# Altium PCB RFID_240713 V3.01.PcbDoc (continued)
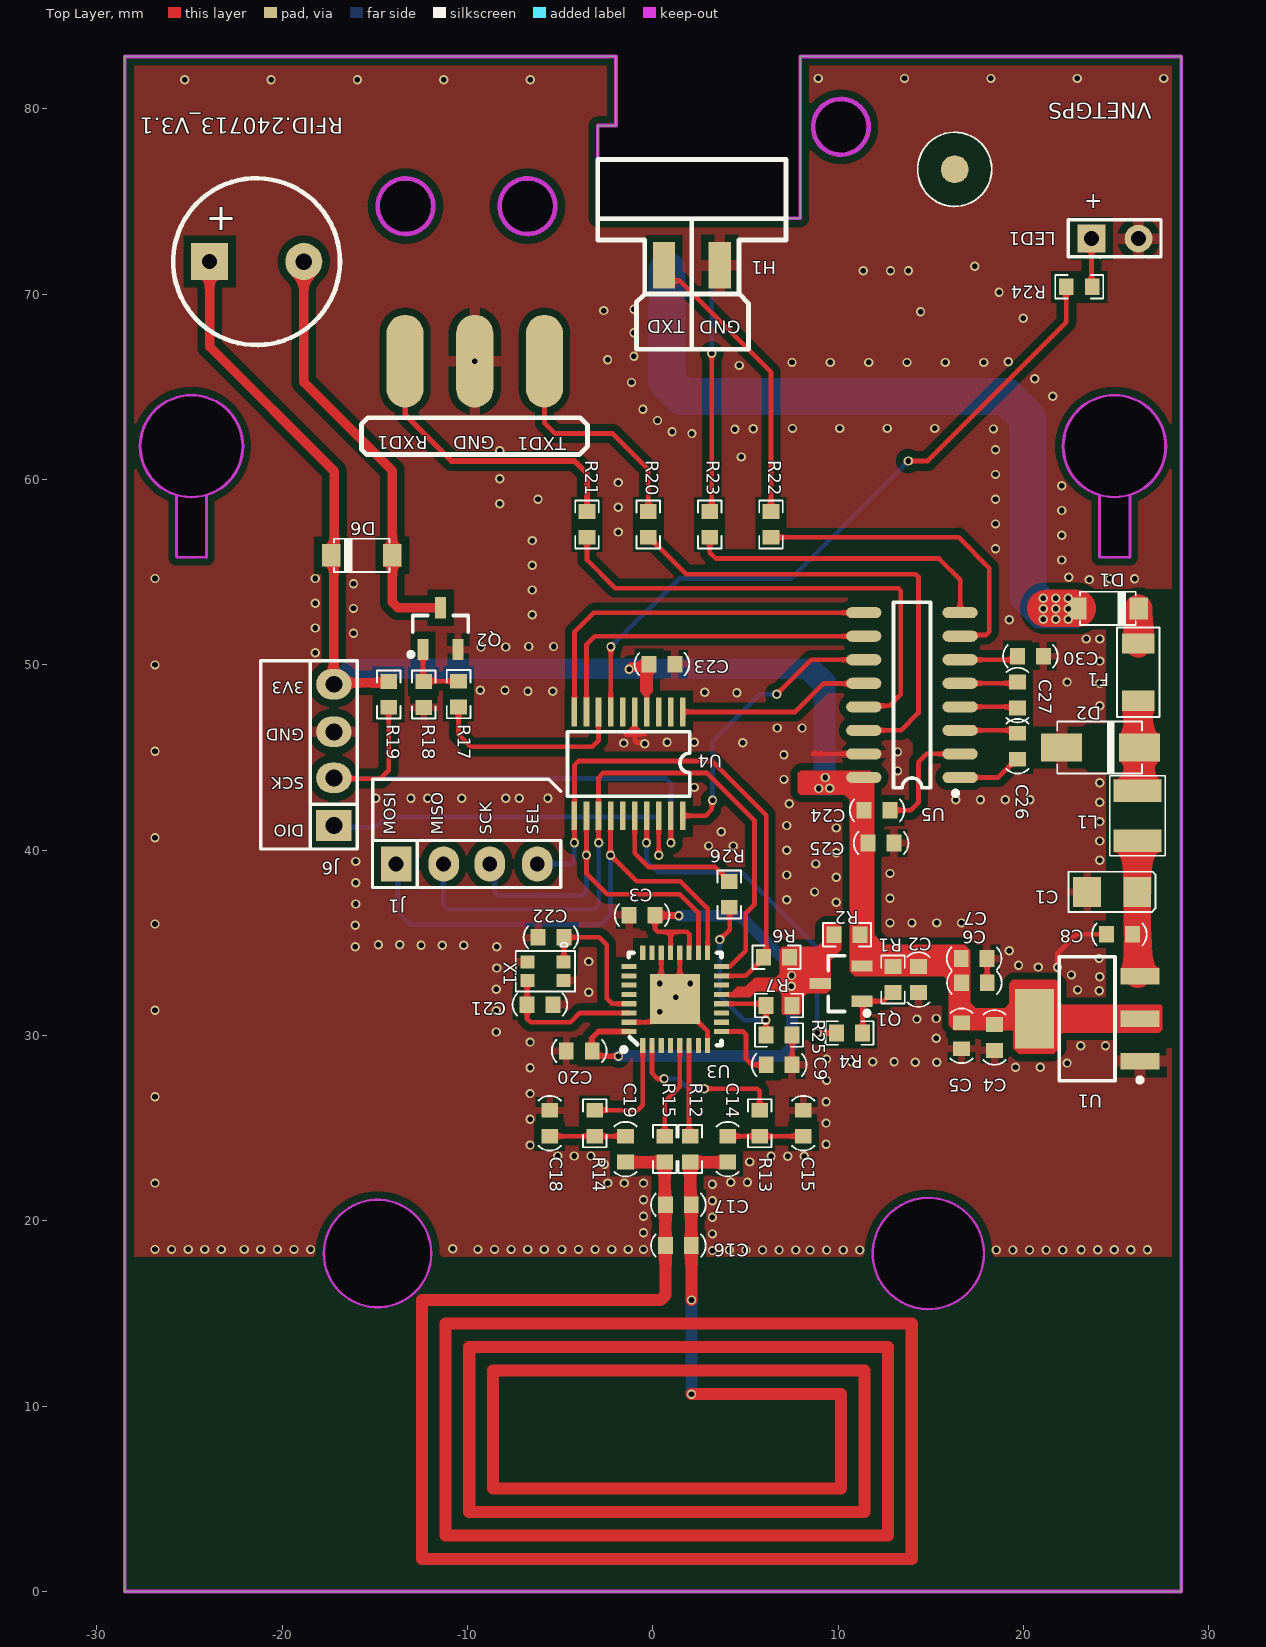
[diagram p0: Top Layer view]
## Part data
C1: library part "Cap Tan 3216 10uF", "CAP TANT 10UF 10V 10% 1206", MFR=AVX, MPN=TAJA106K010RNJ, Comnpany ID="VT_CAP TAN 10uF 10V"
C2 C3 C5 C8 C20 C23 C24 C25 C26 C27 C30: library part "Cap 0603 100nF", "CAP CER 100nF 50V C0G/NP0 0603", MFR=SAMSUNG, MPN=CL10C104JB8NNNC, Package=0603, Voltage=50V, Size="C0603: 100nF"
  C2 C3 C20 C23: Company ID="VT_CAP_C0603 100nF"
  C5 C8 C24 C25 C26 C27 C30: Company ID="VT_TỤ ĐIỆN_C0603 100nF"
C4: library part "Cap 0603 10uF", "CAP CER 10UF 16V X5R 0603", MFR=Yageo, MPN=EMK107BBJ106MA-T, Package=0603, Company ID="VT_CAP_C0603 10uF", Size="C0603: 10uF"
C6: library part "Cap 0603 33pF", "CAP CER 33PF 50V C0G 0603", MFR=Yageo, MPN=AC0603FRNPO9BN330, Company ID="VT_CAP_C0603 33pF", Size="C0603: 33pF"
C7: library part "Cap 0603 10pF", "CAP CER 10PF 50V C0G/NP0 0603", MFR=SAMSUNG, MPN=CL10C100JB8NNNC, Company ID="VT_CAP_C0603 10pF", Size="C0603: 10pF"
C9: library part "Cap 0603 1nF", "CAP CER 1000PF 50V C0G/NP0 0603", MFR=SAMSUNG, MPN=CL10C102JB8NNNC, Company ID="VT_TỤ ĐIỆN_C0603 1nF", Size="C0603: 1nF"
C14 C15 C18 C19: library part "Cap 0603 150pF", "CAP CER 150PF 50V C0G/NP0 0603", MFR=SAMSUNG, MPN=CL10C151JB8NNNC, Company ID="VT_TỤ ĐIỆN_C0603 150pF", Size="C0603: 150pF"
C16 C17: library part "Cap 0603 220pF", "CAP CER 220PF 50V C0G/NP0 0603", MFR=SAMSUNG, MPN=CL10C221JB8NNNC, Company ID="VT_TỤ ĐIỆN_C0603 220pF", Size="C0603: 220pF"
C21 C22: library part "Cap 0603 22pF", "CAP CER 22PF 50V C0G/NP0 0603", MFR=SAMSUNG, MPN=CL10C220JB8NNNC, Company ID="VT_TỤ ĐIỆN_C0603 22pF", Size="C0603: 22pF"
D1 D6: library part "Diode 1N4148", "DIODE GEN PURP 100V 300MA SOD123", MFR=DIODES, MPN=1N4148W-7-F, Company ID=VT_DIODE_1N4148W-7-F
D2: library part "Diode SMAJ5.0A", "TVS DIODE 5VWM 9.2VC SMA", MFR="Littelfuse Inc.", Company ID="VT_DIODE_ SMAJ5.0A", MPN=SMAJ5.0A
F1: library part "Fuse 30V - 0.125A", "PTC RESET FUSE 30V 0.125A 1206", MFR=BrightKing, MPN=SMD1206B012TF, Company ID="VT_Fuse_30V - 0.125A"
GND RXD1 TXD1: library part TP, "1mm - 1 layer"
H1: library part "HD2x2 S", "Micro-Fit 3.0™ Straight Header, 3.00mm Pitch, Dual Row, 4 Circuits", MFR=China, MPN=M3045-2x2-B, MPN2=43045-, Company ID="VT_CONN_2*2 (M3045)"
J1 J6: library part JP4, "Jumper 4, 2.54mmx4"
L1: library part "Inductor 3225 2.2uH", "FIXED IND 2.2UH 1.6A 76 MOHM SMD", MFR=Murata, MPN=LQH32PN2R2NN0, MPN2=SWPA3015S2R2NT, Company ID="VT_IND_3225 2.2uH", Size="L3225: 2.2uH"
LED1: library part "LED 5mm", "LED 5mm"
LS1: library part Speaker, "Buzzer 9*6mm (D*h)", MFR=China, MPN=TMB09A03, Company ID="VT_Buzzer 3V 9mm"
Q1: library part IRLML6402TRPBF, "MOSFET P-CH 30V 3.6A SOT-23-3", MFR="Infineon Technologies", Categories=TRANSISTOR, MPN=IRLML6402TRPBF
Q2: library part "Transistor 2N3904", "TRANS NPN 40V 0.2A SOT-23", MFR=Fairchild, MPN=MMBT3904, Company ID=VT_TRANSISTOR_3904
R1: library part "Res 0603 1M", "RES SMD 1M OHM 1% 1/10W 0603", MFR=Yageo, MPN=RC0603FR-071ML, Company ID="VT_RES_R0603 1M"
R2 R13 R14 R26: library part "Res 0603 0R", "RES SMD 0 OHM JUMPER 1/10W 0603", MFR=Yageo, MPN=RC0603FR-070RL, Company ID="VT_ĐIỆN TRỞ_R0603 0R", Size="R0603: 0R"
R4 R17 R24: library part "Res 0603 1K", "RES SMD 1K OHM 1% 1/10W 0603", MFR=Yageo, MPN=RC0603FR-071KL, Company ID="VT_ĐIỆN TRỞ_R0603 1K", Size="R0603: 1K"
R6 R18 R19: library part "Res 0603 10K", "RES SMD 10K OHM 1% 1/10W 0603", MFR=Yageo, MPN=RC0603FR-0710KL, Size="R0603: 10K"
  R6 R19: Company ID="VT_ĐIỆN TRỞ_R0603 10K"
  R18: Company ID="VT_RES_R0603 10K"
R7 R25: library part "Res 0603 3.3K", "RES SMD 3.3K OHM 1% 1/10W 0603", MFR=Yageo, MPN=RC0603FR-073K3L, Company ID="VT_ĐIỆN TRỞ_R0603 3.3K", Size="R0603: 3.3K"
R12 R15 R20 R21 R22 R23: library part "Res 0603 330R", "RES SMD 330OHM 1% 1/10W 0603", MFR=Yageo, MPN=RC0603FR-07330RL, Company ID="VT_ĐIỆN TRỞ_R0603 330R", Size="R0603: 330R"
U1: library part AMS1117, "1A LOW DROPOUT VOLTAGE REGULATOR", MFR=TI, MPN="AMS1117 3.3", Company ID=VT_IC_AMS1117
U3: "IC RFID RDR/TRN 13.56MZ 32VFQFPN", MFR=ST, MPN=CR95HF-VMD5T, Company ID=VT_IC_CR95HF
U4: "IC MCU 32BIT 32KB FLASH 20TSSOP", MPN=STMicroelectronics, Company ID=VT_IC_STM32G030F6P6TR, MFR=STM32G030F6P6TR
U5: "2/2 Transceiver Full RS232 16-SOIC", MFR=TI, MPN=MAX3232EIDR, Company ID=VT_IC_MAX3232
X1: library part XTAL-XRCBG27M, "CRYSTAL 27.12MHz RoHS", MFR=Murata, MPN=XRCGB27M120F3M00R0, Company ID="VT_CRYSTAL_SMD 27.12MHz"

## Free pads (board coordinates)
  round 1.5 all layers, no hole: 1(16.28,76.74)

## Via types
v1: diameter 0.5, hole 0.3, Top Layer to Bottom Layer, tented both sides, 301 vias

## Nets (pads, with @x,y where several pads share a name; then routed paths per layer and width w, separated by ;. In a path a pad name is that pad's centre, name@x,y a point inside that pad or via, vN(x,y) a via of type N, cw(c..) or ccw(c..) an arc to the next point about the centre after c; other vN are vias at no path point)
3V3: C2.2 C4.2 C5.2 C6.2 C7.2 C23.2 C24.2 C25.2 D6.2 J6.4 LS1.1 Q1.2 R1.2 R2.1 R19.2 U1.2 U1.4 U4.4 U5.16 | length 94.9
  Top Layer w0.254: U4.4 C23.2@-0.338,49.838 ; R2.1 11.278,35.33 Q1.2 16.567,33.752 16.629,33.69
  Top Layer w0.508: LS1.1 -23.92,67.165 -17.19,60.435 D6.2@-17.19,55.86 ; D6.2@-17.22,55.83 J6.4 -17.142,49.033 -14.347,49.033 -14.343,49.028 R19.2 ; v1(-1.29,49.76) -1.155,49.895 -0.362,49.895 C23.2 ; 8.541,43.915 11.362,43.915 U5.16 11.382,43.921 11.382,42.16 C24.2 11.388,35.695 11.176,35.482 R2.1 ; 16.629,33.69 16.639,33.68 16.639,32.999 16.644,32.994 16.644,30.876 C5.2@16.78,30.74 ; 17.199,30.907 U1.4 U1.2
  Bottom Layer w0.508: J6.4 -16.97,48.955 -16.195,49.73 8.47,49.73 9.298,48.902 v1(9.298,43.923)
  other v1: 8.95,43.33 9.54,43.35
3V3_RF: C3.2 C20.2 Q1.3 R2.2 R6.2 R7.1 U3.13 U3.19 U3.21 U3.32 | length 42
  Top Layer w0.254: C3.2 0.11,35.749 0.259,35.6 0.949,35.6 ; U3.21 0.949,35.6 ; U3.19@1.97,34.69 1.97,35.451 1.821,35.6 0.949,35.6 ; U3.13 5.02,32.22 5.451,32.651 v1@7.47,32.651 ; v1(7.47,32.66) v1@7.47,32.651 ; R7.1@7.497,31.668 7.47,31.695 v1@7.47,32.651 ; Q1.3 9.028,34.635 9.776,35.382 R2.2
  Top Layer w0.3: v1(-1.86,28.89) -3.007,28.89 -3.3,29.183 -3.3,29.86 -2.94,30.22 U3.32
  Top Layer w0.381: C3.2@0.145,36.485 1.383,36.485 v1(1.398,36.47) ; v1(7.47,32.66) v1@7.5,32.66 ; R7.1@7.497,31.668 R7.1@7.5,31.671 ; 7.5,33.69 v1@7.5,32.66 ; Q1.3 9.015,32.79 7.632,32.79 7.502,32.66 v1@7.5,32.66
  Bottom Layer w0.6: v1@-1.922,28.9 7.01,28.9 7.5,29.39 7.5,33.664 4.694,36.47 v1(1.398,36.47)
  other v1: 7.48,33.24
BUZZER: R17.1 U4.8 | length 11.2
  Top Layer w0.254: R17.1@-10.31,47.54 R17.1 -10.49,46.23 -9.841,45.581 -3.28,45.581 -2.938,45.923 U4.8
EN_RFID: R4.1 U4.17 | length 19.3
  Top Layer w0.254: v1@-0.338,40.388 U4.17 ; v1(8.86,30.14) R4.1 R4.1@9.875,30.175
  Bottom Layer w0.254: v1(-0.353,40.403) -0.353,39.443 0.26,38.83 4.761,38.83 8.86,34.73 v1(8.86,30.14)
GND: C1.2 C2.1 C3.1 C4.1 C5.1 C6.1 C7.1 C8.1 C9.2 C15.1 C18.2 C20.1 C21.1 C22.1 C23.1 C25.1 C30.1 D2.1 GND.1 H1.2 J6.3 LED1.2 Q2.2 R18.1 R25.2 U1.1 U3.8 U3.20 U3.22 U3.31 U3.33 U4.5 U5.15 X1.2 X1.4 | length 20.5
  Top Layer w0.254: U3.31 U3.33@-0.052,30.72 ; U4.5 -0.988,45.922 -0.864,45.798 -0.563,45.798 -0.52,45.755 v1@-0.52,45.74 ; U3.33@0.449,32.723 U3.22 ; U3.20 1.448,32.22 U3.33 2.948,30.224 U3.8 ; R25.2 7.51,30.02 C9.2 ; 8.633,45.198 U5.15 ; 8.722,45.286 8.78,45.228 ; C7.1 18.029,32.861 C6.1 ; v1@21.81,33.69 21.83,33.71 21.83,34.45 22.84,35.46 C8.1
  other v1: 3.21,18.4 4.12,18.43 5.015,18.43 5.91,18.43 6.805,18.43 7.7,18.43 8.471,18.43 9.366,18.43 10.261,18.43 11.156,18.43 18.527,18.43 19.422,18.43 20.317,18.43 21.212,18.43 22.107,18.43 23.1,18.44 23.995,18.44 24.89,18.44 25.785,18.44 26.68,18.44 -26.87,18.46 -25.975,18.46 -25.08,18.46 -24.185,18.46 -23.29,18.46 -22.053,18.46 -21.158,18.46 -20.263,18.46 -19.368,18.46 -18.473,18.46 -9.444,18.46 -8.549,18.46 -7.654,18.46 -6.759,18.46 -5.864,18.46 -4.914,18.46 -4.019,18.46 -3.124,18.46 -2.229,18.46 -1.334,18.46 -0.51,18.46 -10.808,18.491 3.21,19.295 -0.51,19.355 3.21,20.19 -0.51,20.25 3.21,21.085 -0.51,21.145 3.21,21.98 -26.87,22.04 -2.445,22.04 -1.55,22.04 -0.51,22.04 4.2,22.08 5.095,22.08 -2.62,23.06 5.22,23.18 -5.14,23.5 -4.245,23.5 -3.35,23.5 6.37,23.49 7.265,23.49 8.16,23.49 -6.63,24.09 9.34,24.13 9.34,25.28 -6.63,25.48 9.34,26.43 -26.87,26.7 -6.63,26.87 9.366,27.579 -6.63,28.26 19.562,28.294 20.897,28.294 22.342,28.514 14.158,28.56 15.307,28.56 10.708,28.586 11.858,28.586 13.008,28.586 9.366,28.729 23.082,29.444 24.417,29.444 -6.63,29.65 15.29,29.86 -8.459,30.193 14.24,30.89 15.29,30.92 0.37,31.278 -8.459,31.343 -26.87,31.36 1.22,32.07 -3.46,32.34 24.08,32.42 22.91,32.46 -8.459,32.493 0.37,32.81 2.02,32.81 24.1,33.18 22.58,33.27 -8.433,33.643 21.83,33.68 20.793,33.696 19.727,33.794 -3.46,33.99 24.07,34.16 19.22,34.58 -16.069,34.798 -8.433,34.792 -12.513,34.874 -11.363,34.874 -10.213,34.874 -14.812,34.9 -13.663,34.9 -16.069,35.948 -26.87,36.02 12.788,36.078 13.972,36.078 15.307,36.078 16.642,36.078 -16.043,37.097 9.89,37.2 7.22,37.33 12.788,37.413 8.722,37.75 -16.043,38.247 9.89,38.535 7.22,38.665 12.788,38.748 8.78,39.26 -16.043,39.397 24.11,39.452 9.89,39.87 7.22,40 3.002,40.234 4.337,40.234 24.11,40.499 -26.87,40.68 3.68,41 9.89,41.205 7.22,41.335 24.11,41.546 7.352,42.514 24.11,42.593 16.332,42.722 17.667,42.722 19.002,42.722 20.337,42.722 -14.955,42.81 -13.06,42.81 -12.16,42.81 -10.311,42.81 -7.943,42.81 -7.215,42.81 -5.667,42.81 2.22,43.39 24.11,43.64 7.066,43.822 13.2,44.28 7.066,45.157 13.2,45.303 -26.87,45.34 -0.45,45.751 -1.58,45.78 4.839,45.801 0.76,45.83 2.23,45.83 6.712,46.594 8.047,46.594 24.112,47.79 2.79,48.52 4.53,48.5 -6.748,48.574 -5.413,48.574 -9.318,48.634 -7.983,48.634 24.112,48.998 22.342,49.073 -26.87,50 24.112,50.206 -18.22,50.655 -9.278,50.964 -7.943,50.964 -6.698,50.994 -5.363,50.994 23.38,51.4 24.11,51.4 -16.16,51.71 -18.22,51.99 19.22,52.43 -6.507,52.705 -16.16,53.045 -18.22,53.325 -6.507,54.04 -16.16,54.38 23.537,54.604 24.652,54.644 25.987,54.644 -26.87,54.66 -18.22,54.66 22.43,54.73 -6.507,55.375 22.05,55.66 18.48,56.27 -6.507,56.71 22.05,56.995 -1.876,57.165 18.48,57.605 22.05,58.33 -1.876,58.5 -8.266,58.701 -6.203,58.94 18.48,58.94 22.05,59.665 -1.876,59.835 -8.266,60.036 18.48,60.275 4.757,61.22 -8.266,61.55 18.48,61.61 2.1,62.48 1.03,62.58 4.42,62.72 5.41,62.74 18.37,62.73 7.527,62.76 10.085,62.76 12.642,62.76 15.2,62.76 0.245,63.185 -0.54,63.79 21.57,64.5 -1.16,65.24 20.6,65.44 4.65,66.16 7.5,66.32 9.568,66.32 11.637,66.32 13.705,66.32 15.773,66.32 17.841,66.32 19.17,66.35 -9.618,66.39 -2.45,66.47 -1.03,66.658 -1.03,67.927 19.984,68.703 14.439,69.05 -2.65,69.12 -1.03,69.195 18.673,70.11 11.342,71.26 12.815,71.26 13.784,71.26 17.362,71.517 -25.267,81.575 -20.607,81.575 -15.947,81.575 -11.287,81.575 -6.627,81.575 8.913,81.645 13.573,81.645 18.233,81.645 22.893,81.645 27.553,81.645
IRQ_IN: R26.2 U4.16 | length 7.8
  Top Layer w0.254: U4.16 -0.988,39.838 -0.25,39.1 3.34,39.1 R26.2
LED: R24.1 U4.7 | length 37.3
  Top Layer w0.254: U4.7 -2.279,47.472 -2.279,50.971 v1(-2.27,50.98) ; v1(13.77,61) 14.81,61 22.3,68.49 R24.1 22.3,70.43 R24.1@22.28,70.45
  Bottom Layer w0.254: v1(-2.27,50.98) 1.409,54.659 7.429,54.659 v1(13.77,61)
NetC1_1: C1.1 C8.2 L1.2 U1.3 | length 6.9
  Top Layer w1.5: C8.2@26.125,35.493 C1.1 ; C1.1@26.142,37.766 L1.2@26.142,40.26 ; U1.3@26.156,33.326 C8.2@26.156,35.462
NetC9_1: C9.1 U3.9 | length 3.9
  Top Layer w0.254: U3.9 4.839,30.22 5.02,30.039 5.02,28.729 5.329,28.42 C9.1
NetC14_1: C14.1 C15.2 R13.2 | length 4.2
  Top Layer w0.254: C14.1 R13.2 ; R13.2@5.66,24.64 R13.2@5.76,24.74 ; C15.2 R13.2@5.761,24.57 ; R13.2 R13.2@5.761,24.57
NetC14_2: C14.2 C16.1 C16.2 C17.1 C17.2 C19.2 R12.2 R15.2 | length 279.7
  Top Layer w0.65: C19.2 0.629,23.169 0.63,20.908 ccw(c0.669,20.908) C16.1 C17.1 0.677,18.669 0.677,16.005 0.402,15.73 -12.453,15.73 -12.453,1.76 13.963,1.76 13.963,14.46 -11.183,14.46 -11.183,3.03 12.693,3.03 12.693,13.19 -9.913,13.19 -9.913,4.3 11.423,4.3 11.423,11.92 -8.643,11.92 -8.643,5.57 10.153,5.57 10.153,10.65 v1(2.079,10.65) ; 0.673,15.997 0.679,16.002 ; v1(2.079,15.73) 2.079,18.669 C17.2 C16.2 cw(c2.069,20.928) 2.01,20.928 R12.2 C14.2
  Bottom Layer w0.65: v1(2.079,10.65) v1(2.079,15.73)
NetC18_1: C18.1 C19.1 R14.2 | length 4.1
  Top Layer w0.254: C18.1 -3.146,24.57 R14.2 C19.1
NetC21_2: C21.2 U3.30 X1.3 | length 7.8
  Top Layer w0.254: X1.3 -6.803,32.943 -6.8,32.94 C21.2 -6.8,30.92 -6.6,30.72 -4.45,30.72 -3.95,31.22 U3.30
NetC22_2: C22.2 U3.29 X1.1 | length 8
  Top Layer w0.254: X1.1 -4.803,33.993 C22.2 -2.906,35.3 -2.5,34.894 -2.5,32.02 -2.2,31.72 U3.29
NetC24_1: C24.1 U5.2 | length 6.3
  Top Layer w0.254: C24.1 13.916,42.153 14.322,42.559 14.322,44.744 14.776,45.198 U5.2
NetC26_1: C26.1 U5.3 | length 3.2
  Top Layer w0.254: U5.3 19.507,46.468 C26.1
NetC26_2: C26.2 U5.1 | length 3.5
  Top Layer w0.254: U5.1 18.632,43.928 19.614,44.91 C26.2
NetC27_1: C27.1 U5.5 | length 3.1
  Top Layer w0.254: U5.5 19.599,49.008 C27.1
NetC27_2: C27.2 U5.4 | length 3.1
  Top Layer w0.254: U5.4 19.599,47.738 C27.2
NetC30_2: C30.2 U5.6 | length 3.2
  Top Layer w0.254: U5.6 19.475,50.278 C30.2
NetD1_2: D1.2 F1.1 | length 1.9
  Top Layer w1.5: F1.1 26.2,51.172 D1.2
NetD2_2: D2.2 F1.2 L1.1 | length 4.3
  Top Layer w1.5: F1.2@26.183,47.78 26.183,45.607 D2.2 L1.1@26.25,43.49
NetD6_1: D6.1 LS1.2 Q2.3 | length 23.1
  Top Layer w0.508: LS1.2 -18.84,66.811 -18.84,65.256 -14.062,60.478 D6.1 -14.062,53.383 -13.764,53.085 -11.975,53.085 Q2.3
NetLED1_1: LED1.1 R24.2 | length 2.7
  Top Layer w0.254: LED1.1 23.66,70.44 R24.2@23.74,70.36
NetQ1_1: Q1.1 R1.1 R4.2 | length 3.6
  Top Layer w0.254: R4.2 11.31,31.82 Q1.1 12.435,31.852 12.9,32.318 R1.1
NetQ2_1: Q2.1 R17.2 R18.2 | length 3.6
  Top Layer w0.254: Q2.1 -12.41,49.14 R18.2 -12.35,49.12 R17.2
NetR7_2: R7.2 R25.1 R26.1 U3.12 | length 11.8
  Top Layer w0.254: v1(3.599,35.178) 4.14,35.718 R26.1@4.14,36.66 ; U3.12 6.003,31.72 R7.2 R25.1
  Bottom Layer w0.254: v1(3.599,35.178) 3.599,32.161 4.93,30.83 v1(6.09,30.83)
NetR12_1: R12.1 U3.6 | length 4.9
  Top Layer w0.254: U3.6 1.948,24.632 R12.1
NetR13_1: R13.1 U3.2 | length 8.7
  Top Layer w0.254: U3.2 -0.051,27.961 0.24,27.67 v1(0.6,27.67) ; v1(2.772,27.134) 5.627,27.134 5.76,27.001 R13.1
  Bottom Layer w0.254: v1(0.6,27.67) 1.36,27.67 1.896,27.134 v1(2.772,27.134)
NetR14_1: R14.1 U3.1 | length 6
  Top Layer w0.254: R14.1@-3.075,25.899 R14.1 -0.831,25.969 -0.551,26.249 U3.1
NetR15_1: R15.1 U3.5 | length 5.3
  Top Layer w0.254: R15.1 0.63,26.432 1.448,27.251 U3.5 ; R15.1@0.867,24.601 R15.1@0.942,24.676
NetR20_1: R20.1 U5.14 | length 26.1
  Top Layer w0.254: R20.1 -0.2,56.884 1.786,54.898 14.174,54.898 14.322,54.749 14.322,47.406 13.384,46.468 U5.14
NetR21_1: R21.1 U5.13 | length 26.7
  Top Layer w0.254: R21.1 -3.56,55.663 -2.037,54.14 13.225,54.14 13.374,53.991 13.374,48.404 12.764,47.794 11.431,47.794 U5.13
NetR22_1: R22.1 U5.7 | length 17.6
  Top Layer w0.254: R22.1 16.486,56.884 18.145,55.225 18.145,51.785 17.974,51.614 16.641,51.614 U5.7
NetR23_1: R23.1 U5.8 | length 16.7
  Top Layer w0.254: R23.1 3.06,56.06 3.38,55.74 15.428,55.74 16.575,54.593 U5.8
RXD1: R21.2 RXD1.1 | length 16.1
  Top Layer w0.3: RXD1.1 -13.378,63.508 -10.87,61 -4.24,61 -3.56,60.32 R21.2
RXD2: H1.1 R23.2 | length 13.5
  Top Layer w0.254: R23.2@2.91,58.354 2.968,58.354 3.172,58.557 v1(3.172,66.811) ; R23.2 3.06,58.28 R23.2@3.07,58.27
  Bottom Layer w0.254: v1(3.172,66.811) 3.172,71.127 H1.1
SPI1_MISO: J1.2 U3.16 U4.13 | length 36.1
  Top Layer w0.254: v1(-2.933,40.403) -2.938,40.408 U4.13 -2.938,43.907 -2.675,44.17 2.91,44.17 5.48,41.6 5.48,37.11 5.48,37.08 5,36.6 5,34.57 4.15,33.72 U3.16
  Bottom Layer w0.254: J1.2@-11.32,39.21 -11.32,37.02 -11.11,36.81 -3.14,36.81 -2.933,37.017 v1(-2.933,40.403)
SPI1_MOSI: J1.1 U3.17 U4.14 | length 28.4
  Top Layer w0.254: U4.14 -2.288,39.733 -0.875,38.32 1.47,38.32 2.948,36.842 U3.17
  Bottom Layer w0.254: J1.1@-13.77,38.98 -13.77,36.69 -13.07,35.99 -2.81,35.99 -2.293,36.507 v1(-2.293,39.733)
SPI1_NSS: J1.4 R6.1 U3.15 U4.11 | length 29.2
  Top Layer w0.254: v1@-4.238,40.473 U4.11 -4.238,44.592 -4.012,44.818 3.172,44.818 6.11,41.88 R6.1@6.11,34.19 ; U3.15 5.009,33.219 5.9,34.11 R6.1@5.9,34.19
  Bottom Layer w0.254: J1.4 -4.389,39.26 -4.24,39.409 v1(-4.24,40.403)
SPI1_SCK: J1.3 U3.18 U4.12 | length 20.7
  Top Layer w0.254: U4.12 -3.588,39.74 -3.588,38.748 -2.458,37.618 1.432,37.618 2.459,36.591 2.459,34.481 U3.18
  Bottom Layer w0.254: J1.3@-8.94,39.01 -8.538,38.608 -8.538,37.709 -8.389,37.56 -3.79,37.56 -3.59,37.76 v1(-3.59,39.74)
SWCLK: J6.2 R19.1 U4.19 | length 29.5
  Top Layer w0.254: J6.2 -17.18,43.86 -14.71,43.86 -14.26,44.31 R19.1 ; U4.19 0.965,41.86 0.965,40.405 v1(0.967,40.403)
  Bottom Layer w0.254: J6.2 -17.19,43.87 0.7,43.87 0.967,43.603 v1(0.967,40.403)
SWDIO: J6.1 U4.18 | length 22.1
  Top Layer w0.254: v1@0.312,39.708 v1(0.312,39.733) U4.18
  Bottom Layer w0.254: J6.1@-17.115,41.44 J6.1 -17.125,41.24 -14.95,41.24 -14.392,41.798 0.163,41.798 0.312,41.649 v1(0.312,39.733)
TXD1: R20.2 TXD1.1 | length 12.2
  Top Layer w0.254: TXD1.1 -5.858,63.075 -5.263,62.48 -2.177,62.48 -0.25,60.553 R20.2
TXD2: H1.4 R22.2 | length 15.9
  Top Layer w0.254: H1.4 0.6,71.196 1.073,70.723 1.432,70.723 6.37,65.785 R22.2
UART1_RX: U4.1 U5.12 | length 9.7
  Top Layer w0.254: U4.1 7.675,47.463 9.21,48.998 U5.12@10.692,48.998
UART1_TX: U4.20 U5.11 | length 15.4
  Top Layer w0.254: U4.20 2.836,41.863 3.17,42.197 3.17,42.653 v1(3.217,42.7) ; v1(6.68,48.418) 7.167,48.905 8.54,50.278 U5.11
  Bottom Layer w0.254: v1(3.217,42.7) 3.217,45.868 5.767,48.418 v1(6.68,48.418)
UART2_RX: U4.10 U5.9 | length 20.4
  Top Layer w0.254: U4.10 -4.238,51.767 -3.187,52.818 U5.9
UART2_TX: U4.9 U5.10 | length 18.8
  Top Layer w0.254: U4.9 -3.588,51.097 -3.137,51.548 U5.10
VIN: D1.1 H1.3 | length 37.6
  Top Layer w2: v1@21.197,53.047 D1.1
  Bottom Layer w2: H1.3@0.75,71.305 0.75,65.29 1.57,64.47 19.069,64.47 20.241,63.299 20.241,53.729
  other v1: 21.06,52.46 21.735,52.46 22.41,52.46 21.06,53.025 21.735,53.025 22.41,53.025 21.06,53.59 21.735,53.59 22.41,53.59
pads on no net: U3.3 U3.4 U3.7 U3.10 U3.11 U3.14 U3.23 U3.24 U3.25 U3.26 U3.27 U3.28 U4.2 U4.3 U4.6 U4.15

## Polygon pours and split planes (outlines as drawn)
GND on Bottom Layer "BOT GND" (solid, remove dead copper, pour order 21): -29.73,-0.127 cw(c-29.73,1.27) -31.127,1.27 -31.127,83.39 31.127,83.39 31.127,1.27 cw(c29.73,1.27) 29.73,-0.127
GND on Top Layer "TOP GND" (solid, remove dead copper, pour order 20): -28.5,-0.127 -28.5,83.51 28.5,83.51 28.5,-0.127

## Keep-outs
Keep-Out Layer:
  circle w0.254: c10.14,79.03 r1.5
  circle w0.127: c14.86,18.24 r3
  circle w0.127: c-14.86,18.24 r2.9
  circle w0.254: c-6.77,74.75 r1.5
  circle w0.254: c-13.35,74.75 r1.5
  circle w0.127: c24.9,61.8 r2.75
  circle w0.127: c-24.9,61.8 r2.75
  lines w0.125: -25.7,59.169 -25.7,55.8 -24.9,55.8 -24.1,55.8 -24.1,59.169 ; 24.11,59.17 24.11,55.801 24.91,55.801 25.71,55.801 25.71,59.17
  lines w0.2: -28.5,82.81 -28.5,0 28.5,0 28.5,82.8 ; -28.5,82.83 -2.01,82.83 ; -2.01,79.1 -2.98,79.1 -2.98,74.1 7.94,74.1 ; -2,79.1 -2,82.83 ; 7.94,74.14 7.94,82.83 28.5,82.83

## Other copper
Top Layer:
  region net VIN: 21.197,52.047 cw(c21.197,53.047) 21.197,54.048 22.896,54.048 cw(c22.896,53.047) 23.897,53.047 cw(c22.896,53.047) 22.896,52.047
  pour cut-out: 24.59,51.92 24.81,51.7 24.81,32.03 24.7,31.92 24.44,32.18 24.44,52.54 24.62,52.72 24.82,52.52 24.82,52.29
  pour cut-out: 25.23,54.1 28.27,54.1 28.31,54.06 28.2,53.95 25.22,53.95 25.19,53.98
  pour cut-out: 14.82,32.55 14.82,31.74 14.96,31.6 15.74,31.6 15.74,32.41 15.69,32.46
  pour cut-out: 13.64,46.16 14.03,45.77 14.03,45.05 14.28,45.05 14.81,45.58 14.13,46.26 14.13,46.61
  region net GND: -1.13,46.81 -1.13,46.71 -1.61,46.23 -1.49,46.11 -0.64,46.11 -0.58,46.17 -0.32,46.17 -0.84,46.69
  pour cut-out: 23.39,46.86 23.19,46.66 23.19,44.49 23.51,44.17 24.84,44.17 24.93,44.26 24.93,46.55 24.66,46.82
  pour cut-out: 24.81,29.9 24.85,29.86 24.85,29.32 28.18,29.32 28.19,29.31 28.35,29.47 28.35,30.12 25.06,30.12 24.86,29.92
  pour cut-out: 24.86,32.54 24.84,32.52 24.84,31.94 27.96,31.94 28.08,31.82 28.14,31.88 28.14,32.54 25.18,32.54 25.12,32.48
  pour cut-out: 24.47,42.36 24.45,42.34 24.45,41.46 28.41,41.46 28.06,41.81 28.06,42.47 26.22,42.47 26.16,42.41
  pour cut-out: 24.86,50.3 24.86,48.97 25.03,48.8 28.06,48.8 28.25,48.99 28.25,50.3 26,50.3 25.96,50.34
  pour cut-out: 23.75,54.1 25.26,54.1 25.37,53.99 25.15,53.77 25.15,51.71 24.97,51.89 23.48,51.89 23.48,52.15 24.18,52.85 23.87,53.16 23.87,53.68
  region net 3V3_RF: 4,32.34 4.25,32.34 4.55,32.64 4.99,32.64 5.48,33.13 6.63,33.13 6.85,33.35 6.85,34.66 6.97,34.78 8.87,34.78 9.13,35.04 9.13,35.88 9.31,36.06 10,36.06 10.17,35.89 10.17,34.64 9.6,34.07 9.6,32.5 9.38,32.28 8.32,32.28 8.01,31.97 8.01,31.23 7.91,31.13 7.03,31.13 6.95,31.21 6.95,32.2 6.76,32.39 5.56,32.39 5.25,32.08 4.07,32.08 3.95,32.2 3.95,32.21
  region net 3V3: -0.01,49.48 0.12,49.61 0.06,49.67 0.02,49.67 -0.01,49.667 -0.68,49.69 -0.68,48.54 -0.46,48.32 -0.46,47.83 -0.28,48.01 -0.25,48.01 -0.25,48.32 -0.01,48.56
  region net 3V3: 21.626,29.006 21.925,29.305 21.925,29.975 22.107,30.157 27.327,30.157 27.48,30.31 27.48,31.57 27.393,31.657 22.113,31.657 21.925,31.845 21.925,32.807 21.733,32.999 19.417,32.999 19.225,32.807 19.225,31.715 18.971,31.461 17.429,31.461 17.13,31.76 17.13,34.6 16.82,34.91 16.04,34.91 12.47,34.91 11.94,35.44 11.94,44.08 11.72,44.3 7.96,44.3 7.81,44.15 7.81,43.13 7.94,43 10.33,43 10.61,42.72 10.61,33.48 10.88,33.21 15.68,33.21 15.97,32.92 15.97,30.56 16.24,30.29 19.39,30.29 19.43,30.25 19.43,29.32 19.75,29
  pour cut-out: -31,0 31,0 31,18.06 -31,18.06
Bottom Layer:
  region net 3V3_RF: -1.922,29.2 6.886,29.2 7.2,29.514 7.2,33.54 4.57,36.17 1.398,36.17 cw(c1.398,36.47) 1.398,36.77 4.694,36.77 cw(c4.694,36.47) 4.907,36.682 7.712,33.877 cw(c7.5,33.664) 7.8,33.664 7.8,29.39 cw(c7.5,29.39) 7.712,29.177 7.712,29.178 7.222,28.688 7.223,28.688 cw(c7.01,28.9) 7.01,28.6 -1.922,28.6 cw(c-1.922,28.9)
  pour cut-out: 3.52,66.59 3.52,65.72 3.59,65.65 3.62,65.68 3.8,65.68
  pour cut-out: 4.4,73.91 4.4,73.13 4.46,73.07 4.6,73.21 4.6,73.8
  pour cut-out: -0.88,73.65 -0.88,71.75 -0.68,71.55 -0.29,71.94 -0.29,73.7
  pour cut-out: 0.54,38.37 0.54,37.31 0.94,36.91 1.06,37.03 1.06,38.38
  region net VIN: 19.26,54.093 19.26,53.34 20.61,51.99 22.98,51.99 23.15,52.16 23.15,53.72 22.93,53.94 21.58,53.94 21.011,54.509
  pour cut-out: -1.82,38.95 -0.44,38.95 -0.1,38.61 -0.1,38.53 -1.84,38.53 -1.91,38.6 -1.89,38.62 -1.89,38.93
  region net 3V3: -16.63,48.73 -16.11,49.25 8.07,49.25 8.67,48.65 8.67,43.14 8.85,42.96 9.65,42.96 9.83,43.14 9.83,49.32 8.82,50.33 -16.44,50.33 -17.54,49.23 -17.54,48.76 -17.42,48.76 -17.15,48.49 -17.08,48.56 -16.59,48.56
  pour cut-out: -31,0 31,0 31,18.06 -31,18.06
Multi-Layer:
  pour cut-out: 16.28,74.74 cw(c16.28,76.74) 14.28,76.74 cw(c16.28,76.74) 16.28,78.74 cw(c16.28,76.74) 18.28,76.74 cw(c16.28,76.74)

## Silkscreen, mask and mechanical layers (free items; w line width, h text height)
Top Overlay:
  circle w0.1: c16.28,76.74 r2
  circle w0.254: c-21.39,71.76 r4.5
  lines w0.127: 24.13,71.96 24.14,71.96
  lines w0.178: -18.52,40.065 -21.16,40.065 -21.16,50.225 -18.52,50.225 ; -15.125,40.53 -15.125,43.822 -5.617,43.822 -4.965,43.17
  lines w0.254: -15.1,63.34 -4.05,63.34 -3.93,63.34 -3.53,62.94 -3.53,61.8 -3.98,61.35 -15.44,61.35 -15.73,61.64 -15.73,62.99 -15.38,63.34 -15.09,63.34 ; -0.44,70.008 -0.89,69.558 -0.89,67.03 5.15,67.03 5.15,69.52 4.65,70.02 ; 2.1,67.03 2.1,70.008
  text "VNETGPS" at 26.92,80.64 h1.5 r180
  text "RFID.240713_V3.1" at -16.7,79.83 h1.5 r180
  text "+" at 23.26,74.341 h1.5
  text "+" at -24.14,72.97 h2.5
  text "TXD" at 1.71,68.84 h1.2 r180
  text "GND" at 4.73,68.806 h1.2 r180
  text "3V3" at -18.81,49.309 h1.1 r180
  text "GND" at -18.81,46.77 h1.1 r180
  text "SCK" at -18.81,44.163 h1.1 r180
  text "DIO" at -18.81,41.59 h1.1 r180
  text "MOSI" at -13.66,40.83 h1.1 r90
  text "MISO" at -11.087,40.83 h1.1 r90
  text "SCK" at -8.48,40.83 h1.1 r90
  text "SEL" at -5.941,40.83 h1.1 r90
Bottom Overlay:
  circle w0.1: c16.28,76.74 r2
  lines w0.2: -21.15,50.19 -21.15,40.06 -15.95,40.06 -15.95,50.21 -21.15,50.21 -18.5,50.21 -18.5,40.08 ; -15.13,37.904 -15.13,43.88 -4.98,43.88 -4.98,37.904 -15.11,37.904 ; -15.13,40.554 -5,40.554 ; -0.47,70 4.65,70 ; 2.1,70.03 2.15,70.08
  lines w0.254: -0.43,70.05 -0.92,69.56 -0.92,67.03 5.14,67.03 5.14,69.52 4.61,70.05 ; 2.07,67.04 2.1,67.07 2.1,70.03
  text "VNETGPS" at 21.24,80.56 h1.5 r180
  text "RFID.240713_V3.1" at -27.24,79.75 h1.5 r180
  text "+" at 23.28,74.38 h1.4
  text "VIN" at -0.26,68.84 h1.2 r180
  text "RXD" at 2.54,68.82 h1.2 r180
  text "3V3" at -20.561,49.269 h1.1 r180
  text "GND" at -20.98,46.73 h1.1 r180
  text "SCK" at -20.93,44.123 h1.1 r180
  text "MISO" at -10.987,43.418 h1.1 r90
  text "MOSI" at -13.56,43.174 h1 r90
  text "SCK" at -8.38,43.052 h1.1 r90
  text "SEL" at -5.841,42.862 h1.1 r90
  text "DIO" at -20.527,41.55 h1.1 r180